# KiCad board panel_32x32_1515_r0.1.kicad_pcb (continued)
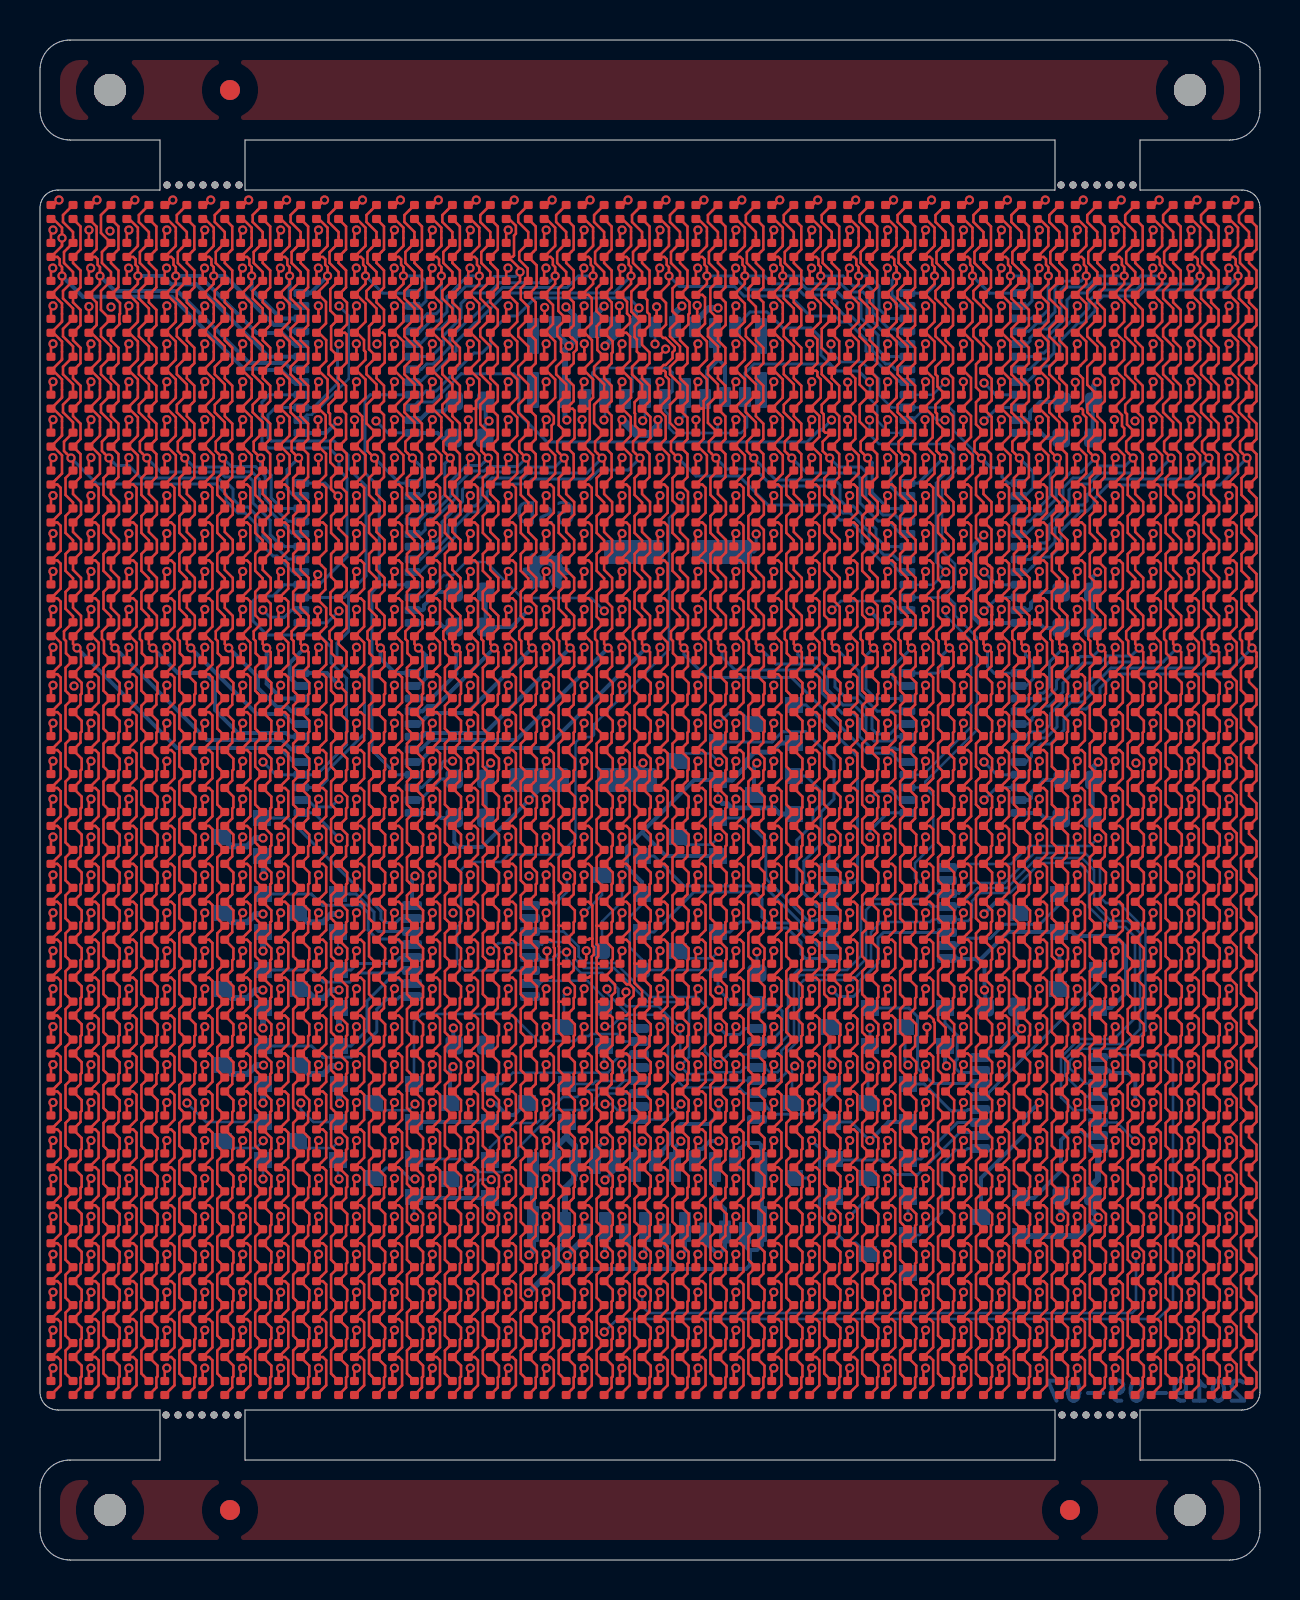
[diagram p0: board, top side]
## Routing (per net, layer and track width the routed paths; a pad name or vN(x,y) marks a point on that pad's centre or on a via; arc(x,y) is an arc through that point) (continued)
COL_RA18: length 79.2
  Top w0.127: D19.2 35.29,67.25 35.29,66.9 35.79,66.4 35.79,66.16 35.79,66.15 D51.2 35.34,65.4 35.34,64.85 35.79,64.4 D83.2 35.42,63.58 35.42,63.04 35.79,62.66 D115.2 35.29,61.56 35.29,61.18 35.79,60.68 D147.2 35.29,59.66 35.29,59.28 35.79,58.78 D179.2 35.29,57.76 35.29,57.39 35.79,56.89 D211.2 35.34,55.92 35.34,55.45 v1(35.69,55.1) 35.79,55 D243.2 35.42,54.1 35.42,53.25 35.79,52.88 D275.2 35.42,52.2 35.42,51.07 35.79,50.69 D307.2 35.42,50.3 35.42,49.46 35.79,49.08 D339.2 35.42,48.41 35.42,47.56 35.79,47.19 D371.2 35.34,46.43 35.34,46.05 35.44,45.95 35.44,45.34 D403.2 35.42,44.61 35.42,43.46 D435.2 35.42,42.72 35.42,41.57 D467.2 35.42,40.82 35.42,39.67 D499.2 35.42,38.92 35.42,37.77 D531.2 35.42,37.03 35.42,35.88 D563.2 35.42,35.13 35.42,33.98 D595.2 35.42,33.23 35.42,32.08 D627.2 35.42,31.34 35.42,30.19 D659.2 35.42,29.44 35.42,28.29 D691.2 35.42,27.54 35.42,26.39 D723.2 35.42,25.65 35.42,24.5 D755.2 35.42,23.75 35.42,22.6 D787.2 35.42,21.85 35.42,20.7 D819.2 35.42,19.96 35.42,18.81 D851.2 35.42,18.06 35.42,16.91 D883.2 35.42,16.16 35.42,15.01 D915.2 35.42,14.27 35.42,13.12 D947.2 35.42,12.37 35.42,11.22 D979.2 35.42,10.47 35.42,9.32 D1011.2
  Bottom w0.15: U8.7 42.28,50.67 41.8,51.15 41.8,51.55 40.65,52.7 40.3,52.7 40,53 40,53.75 39.75,54 36.79,54 v1(35.69,55.1)
COL_RA19: length 77.2
  Top w0.127: D20.2 37.19,67.25 37.19,66.9 37.69,66.4 37.69,66.16 37.69,66.15 D52.2 37.24,65.4 37.24,64.85 37.69,64.4 D84.2 37.19,63.45 37.19,63.08 37.69,62.58 D116.2 37.19,61.56 37.19,61.18 37.69,60.68 D148.2 37.19,59.66 37.19,59.28 37.69,58.78 D180.2 37.19,57.76 37.19,57.39 37.69,56.89 D212.2 37.24,55.92 37.24,55.45 v1(37.59,55.1) 37.69,55 D244.2 37.32,54.1 37.32,53.25 37.69,52.88 D276.2 37.32,52.2 37.32,51.35 37.69,50.98 D308.2 37.32,50.3 37.32,49.46 37.69,49.08 D340.2 37.32,48.41 37.32,47.56 37.69,47.19 D372.2 37.24,46.43 37.24,46.05 37.34,45.95 37.34,45.34 D404.2 37.32,44.61 37.32,43.46 D436.2 37.32,42.72 37.32,41.57 D468.2 37.32,40.82 37.32,39.67 D500.2 37.32,38.92 37.32,37.77 D532.2 37.32,37.03 37.32,35.88 D564.2 37.32,35.13 37.32,33.98 D596.2 37.32,33.23 37.32,32.08 D628.2 37.32,31.34 37.32,30.19 D660.2 37.32,29.44 37.32,28.29 D692.2 37.32,27.54 37.32,26.39 D724.2 37.32,25.65 37.32,24.5 D756.2 37.32,23.75 37.32,22.6 D788.2 37.32,21.85 37.32,20.7 D820.2 37.32,19.96 37.32,18.81 D852.2 37.32,18.06 37.32,16.91 D884.2 37.32,16.16 37.32,15.01 D916.2 37.32,14.27 37.32,13.12 D948.2 37.32,12.37 37.32,11.22 D980.2 37.32,10.47 37.32,9.32 D1012.2
  Bottom w0.15: U8.8 43.05,51.3 42.4,51.95 41.9,51.95 41,52.85 41,54.1 40.75,54.35 38.34,54.35 v1(37.59,55.1)
COL_RA20: length 75.3
  Top w0.127: D1013.2 39.21,9.32 39.21,10.47 D981.2 39.21,11.22 39.21,12.37 D949.2 39.21,13.12 39.21,14.27 D917.2 39.21,15.01 39.21,16.16 D885.2 39.21,16.91 39.21,18.06 D853.2 39.21,18.81 39.21,19.96 D821.2 39.21,20.7 39.21,21.85 D789.2 39.21,22.6 39.21,23.75 D757.2 39.21,24.5 39.21,25.65 D725.2 39.21,26.39 39.21,27.54 D693.2 39.21,28.29 39.21,29.44 D661.2 39.21,30.19 39.21,31.34 D629.2 39.21,32.08 39.21,33.23 D597.2 39.21,33.98 39.21,35.13 D565.2 39.21,35.88 39.21,37.03 D533.2 39.21,37.77 39.21,38.92 D501.2 39.21,39.67 39.21,40.82 D469.2 39.21,41.57 39.21,42.72 D437.2 39.21,43.46 39.21,44.61 D405.2 39.24,45.34 39.24,45.95 39.14,46.05 39.14,46.43 D373.2 39.57,46.88 39.21,47.24 39.21,48.41 D341.2 39.59,49.08 39.21,49.46 39.21,50.3 D309.2 39.59,50.98 39.21,51.35 39.21,52.2 D277.2 39.59,52.88 39.21,53.25 39.21,54.1 D245.2 39.59,55 v1(39.49,55.1) 39.14,55.45 39.14,55.92 D213.2 39.27,56.37 39.18,56.45 39.18,57.29 39.09,57.39 39.09,57.76 D181.2 39.59,58.78 39.09,59.28 39.09,59.66 D149.2 39.54,60.16 39.09,60.61 39.09,61.56 D117.2 39.59,62.58 39.09,63.08 39.09,63.45 D85.2 39.59,64.4 39.14,64.85 39.14,65.4 D53.2 39.59,66.15 39.59,66.16 39.59,66.4 39.09,66.9 39.09,67.25 D21.2
  Bottom w0.15: v1(39.49,55.1) 39.94,54.65 41.05,54.65 41.3,54.4 41.3,53.1 42.15,52.25 42.75,52.25 43.06,51.94 U8.9
COL_RA21: length 73
  Top w0.127: D1014.2 41.11,9.32 41.11,10.47 D982.2 41.11,11.22 41.11,12.37 D950.2 41.11,13.12 41.11,14.27 D918.2 41.11,15.01 41.11,16.16 D886.2 41.11,16.91 41.11,18.06 D854.2 41.11,18.81 41.11,19.96 D822.2 41.11,20.7 41.11,21.85 D790.2 41.11,22.6 41.11,23.75 D758.2 41.11,24.5 41.11,25.65 D726.2 41.11,26.39 41.11,27.54 D694.2 41.11,28.29 41.11,29.44 D662.2 41.11,30.19 41.11,31.34 D630.2 41.11,32.08 41.11,33.23 D598.2 41.11,33.98 41.11,35.13 D566.2 41.11,35.88 41.11,37.03 D534.2 41.11,37.77 41.11,38.92 D502.2 41.11,39.67 41.11,40.82 D470.2 41.11,41.57 41.11,42.72 D438.2 41.11,43.46 41.11,44.61 D406.2 41.13,45.34 41.13,45.95 41.03,46.05 41.03,46.43 D374.2 41.11,47.26 41.11,48.41 D342.2 41.48,49.08 41.11,49.46 41.11,50.3 D310.2 41.48,50.98 41.11,51.35 41.11,52.2 D278.2 41.48,52.88 41.11,53.25 41.11,54.1 D246.2 41.48,55 v1(41.38,55.1) 41.03,55.45 41.03,55.92 D214.2 41.48,56.42 40.98,56.92 40.98,57.76 D182.2 41.48,58.27 40.98,58.77 40.98,59.66 D150.2 41.48,60.68 40.98,61.18 40.98,61.56 D118.2 41.48,62.58 40.98,63.08 40.98,63.45 D86.2 41.48,64.4 41.03,64.85 41.03,65.4 D54.2 41.48,66.15 41.48,66.16 41.48,66.4 40.98,66.9 40.98,67.25 D22.2
  Bottom w0.15: U8.10 42.41,52.57 41.61,53.37 41.61,54.87 v1(41.38,55.1)
COL_RA22: length 71.9
  Top w0.127: D23.2 42.88,67.25 42.88,66.9 43.38,66.4 43.38,66.16 43.38,66.15 D55.2 42.93,65.4 42.93,64.85 43.38,64.4 D87.2 42.88,63.45 42.88,63.08 43.38,62.58 D119.2 42.88,61.56 42.88,61.18 43.38,60.68 D151.2 42.88,59.66 42.88,59.28 43.38,58.78 D183.2 42.88,57.76 42.88,57.39 43.38,56.89 D215.2 42.93,55.92 42.93,55.45 v1(43.28,55.1) 43.38,55 D247.2 43.01,54.1 43.01,53.25 43.38,52.88 D279.2 43.01,52.2 43.01,51.35 43.38,50.98 D311.2 43.01,50.3 43.01,49.46 43.38,49.08 D343.2 43.01,48.41 43.01,47.56 43.38,47.19 D375.2 42.93,46.43 42.93,46.05 43.03,45.95 43.03,45.34 D407.2 43.01,44.61 43.01,43.46 D439.2 43.01,42.72 43.01,41.57 D471.2 43.01,40.82 43.01,39.67 D503.2 43.01,38.92 43.01,37.77 D535.2 43.01,37.03 43.01,35.88 D567.2 43.01,35.13 43.01,33.98 D599.2 43.01,33.23 43.01,32.08 D631.2 43.01,31.34 43.01,30.19 D663.2 43.01,29.44 43.01,28.29 D695.2 43.01,27.54 43.01,26.39 D727.2 43.01,25.65 43.01,24.5 D759.2 43.01,23.75 43.01,22.6 D791.2 43.01,21.85 43.01,20.7 D823.2 43.01,19.96 43.01,18.81 D855.2 43.01,18.06 43.01,16.91 D887.2 43.01,16.16 43.01,15.01 D919.2 43.01,14.27 43.01,13.12 D951.2 43.01,12.37 43.01,11.22 D983.2 43.01,10.47 43.01,9.32 D1015.2
  Bottom w0.15: U8.11 42.99,53.21 42.55,53.65 42.55,54.37 v1(43.28,55.1)
COL_RA23: length 71.5
  Top w0.127: D24.2 44.78,67.25 44.78,66.9 45.28,66.4 45.28,66.16 45.28,66.15 D56.2 44.83,65.4 44.83,64.85 45.28,64.4 D88.2 44.78,63.45 44.78,63.08 45.28,62.58 D120.2 44.78,61.56 44.78,61.18 45.28,60.68 D152.2 44.78,59.66 44.78,59.28 44.87,59.19 44.87,58.67 D184.2 44.78,57.76 44.78,57.39 44.85,57.31 44.85,56.85 45.28,56.42 D216.2 44.83,55.92 44.83,55.45 v1(45.18,55.1) 45.28,55 D248.2 44.9,54.1 44.9,53.25 45.28,52.88 D280.2 44.9,52.2 44.9,51.35 45.28,50.98 D312.2 44.9,50.3 44.9,49.05 45.17,48.78 D344.2 44.9,48.41 44.9,47.2 45.22,46.88 D376.2 44.83,46.43 44.83,46.05 44.93,45.95 44.93,45.34 D408.2 44.9,44.61 44.9,43.46 D440.2 44.9,42.72 44.9,41.57 D472.2 44.9,40.82 44.9,39.67 D504.2 44.9,38.92 44.9,37.77 D536.2 44.9,37.03 44.9,35.88 D568.2 44.9,35.13 44.9,33.98 D600.2 44.9,33.23 44.9,32.08 D632.2 44.9,31.34 44.9,30.19 D664.2 44.9,29.44 44.9,28.29 D696.2 44.9,27.54 44.9,27 45.28,26.63 D728.2 44.9,25.65 44.9,24.5 D760.2 44.9,23.75 44.9,22.6 D792.2 44.9,21.85 44.9,20.7 D824.2 44.9,19.96 44.9,18.81 D856.2 44.9,18.06 44.9,16.91 D888.2 44.9,16.16 44.9,15.01 D920.2 44.9,14.27 44.9,13.12 D952.2 44.9,12.37 44.9,11.22 D984.2 44.9,10.47 44.9,9.32 D1016.2
  Bottom w0.15: v1(45.18,55.1) 43.92,53.84 U8.12
COL_RA24: length 71.5
  Top w0.127: D25.2 46.67,67.25 46.67,66.9 47.17,66.4 47.17,66.16 47.17,66.15 D57.2 46.72,65.4 46.72,64.85 47.17,64.4 D89.2 46.67,63.45 46.67,63.08 47.17,62.58 D121.2 46.67,61.56 46.67,61.18 47.17,60.68 D153.2 46.8,59.79 46.8,58.64 D185.2 46.8,57.89 46.8,56.78 47.17,56.41 D217.2 46.72,55.92 46.72,55.45 v1(47.07,55.1) 47.17,55 D249.2 46.8,54.1 46.8,53.25 47.17,52.88 D281.2 46.8,52.2 46.8,51.1 47.17,50.73 D313.2 ; D377.2 46.72,46.43 46.72,46.05 46.82,45.95 46.82,45.34 D409.2 46.8,44.61 46.8,43.46 D441.2 46.8,42.72 46.8,41.57 D473.2 46.8,40.82 46.8,39.67 D505.2 46.8,38.92 46.8,37.77 D537.2 46.8,37.03 46.8,35.88 D569.2 46.8,35.13 46.8,33.98 D601.2 46.8,33.23 46.8,32.08 D633.2 46.8,31.34 46.8,30.19 D665.2 46.8,29.44 46.8,28.29 D697.2 46.8,27.54 46.8,26.39 D729.2 46.8,25.65 46.8,24.5 D761.2 46.8,23.75 46.8,22.6 D793.2 46.8,21.85 46.8,20.7 D825.2 46.8,19.96 46.8,18.81 D857.2 46.8,18.06 46.8,16.91 D889.2 46.8,16.16 46.8,15.01 D921.2 46.8,14.27 46.8,13.12 D953.2 46.8,12.37 46.8,11.22 D985.2 46.8,10.47 46.8,9.32 D1017.2
  Top w0.15: D377.2 46.79,47.27 46.79,48.4 D345.2 47.17,48.84 46.79,49.23 46.79,50.29 D313.2
  Bottom w0.15: v1(47.07,55.1) 47.56,54.61 47.94,54.61 48.1,54.45 48.1,54.15 48.41,53.84 U8.13
COL_RA25: length 71.8
  Top w0.127: D26.2 48.57,67.25 48.57,66.9 49.07,66.4 49.07,66.16 49.07,66.15 D58.2 48.62,65.4 48.62,64.85 49.07,64.4 D90.2 48.57,63.45 48.57,63.08 49.07,62.58 D122.2 48.57,61.56 48.57,61.18 49.07,60.68 D154.2 48.57,59.66 48.57,59.28 49.07,58.78 D186.2 48.57,57.76 48.57,57.39 49.07,56.89 D218.2 48.62,55.92 48.62,55.45 v1(48.97,55.1) 49.07,55 D250.2 48.7,54.1 48.7,53.25 49.07,52.88 D282.2 48.7,52.2 48.7,51.35 49.07,50.98 D314.2 48.7,50.3 48.7,49.46 49.07,49.08 D346.2 48.7,48.41 48.7,47.56 49.07,47.19 D378.2 48.62,46.43 48.62,46.05 48.72,45.95 48.72,45.34 D410.2 48.7,44.61 48.7,43.46 D442.2 48.7,42.72 48.7,41.57 D474.2 48.7,40.82 48.7,39.67 D506.2 48.7,38.92 48.7,37.77 D538.2 48.7,37.03 48.7,35.88 D570.2 48.7,35.13 48.7,33.98 D602.2 48.7,33.23 48.7,32.08 D634.2 48.7,31.34 48.7,30.19 D666.2 48.7,29.44 48.7,28.29 D698.2 48.7,27.54 48.7,26.39 D730.2 48.7,25.65 48.7,24.5 D762.2 48.7,23.75 48.7,22.6 D794.2 48.7,21.85 48.7,20.7 D826.2 48.7,19.96 48.7,18.81 D858.2 48.7,18.06 48.7,16.91 D890.2 48.7,16.16 48.7,15.01 D922.2 48.7,14.27 48.7,13.12 D954.2 48.7,12.37 48.7,11.22 D986.2 48.7,10.47 48.7,9.32 D1018.2
  Bottom w0.15: U8.14 49.26,53.21 49.65,53.6 49.65,54.42 v1(48.97,55.1)
COL_RA26: length 73
  Top w0.127: D27.2 50.47,67.25 50.47,66.9 50.97,66.4 50.97,66.16 50.97,66.15 D59.2 50.52,65.4 50.52,64.85 50.97,64.4 D91.2 50.47,63.45 50.47,63.08 50.97,62.58 D123.2 50.47,61.56 50.47,61.18 50.97,60.68 D155.2 50.47,59.66 50.47,59.28 50.97,58.78 D187.2 50.47,57.76 50.47,57.39 50.97,56.89 D219.2 50.52,55.92 50.52,55.45 v1(50.87,55.1) 50.97,55 D251.2 50.59,54.1 50.59,53.25 50.97,52.88 D283.2 50.59,52.2 50.59,51.35 50.97,50.98 D315.2 50.59,50.3 50.59,49.46 50.97,49.08 D347.2 50.59,48.41 50.59,47.56 50.97,47.19 D379.2 50.52,46.43 50.52,46.05 50.62,45.95 50.62,45.34 D411.2 50.59,44.61 50.59,43.46 D443.2 50.59,42.72 50.59,41.57 D475.2 50.59,40.82 50.59,39.67 D507.2 50.59,38.92 50.59,37.77 D539.2 50.59,37.03 50.59,35.88 D571.2 50.59,35.13 50.59,33.98 D603.2 50.59,33.23 50.59,32.08 D635.2 50.59,31.34 50.59,30.19 D667.2 50.59,29.44 50.59,28.29 D699.2 50.59,27.54 50.59,26.39 D731.2 50.59,25.65 50.59,24.5 D763.2 50.59,23.75 50.59,22.6 D795.2 50.59,21.85 50.59,20.7 D827.2 50.59,19.96 50.59,18.81 D859.2 50.59,18.06 50.59,16.91 D891.2 50.59,16.16 50.59,15.01 D923.2 50.59,14.27 50.59,13.12 D955.2 50.59,12.37 50.59,11.22 D987.2 50.59,10.47 50.59,9.32 D1019.2
  Bottom w0.15: v1(50.87,55.1) 50.87,54.67 50.51,54.31 50.51,53.19 49.9,52.57 U8.15
COL_RA27: length 74.6
  Top w0.127: D1020.2 52.49,9.32 52.49,10.47 D988.2 52.49,11.22 52.49,12.37 D956.2 52.49,13.12 52.49,14.27 D924.2 52.49,15.01 52.49,16.16 D892.2 52.49,16.91 52.49,18.06 D860.2 52.49,18.81 52.49,19.96 D828.2 52.49,20.7 52.49,21.85 D796.2 52.49,22.6 52.49,23.75 D764.2 52.49,24.5 52.49,25.65 D732.2 52.49,26.39 52.49,27.54 D700.2 52.49,28.29 52.49,29.44 D668.2 52.49,30.19 52.49,31.34 D636.2 52.49,32.08 52.49,33.23 D604.2 52.49,33.98 52.49,35.13 D572.2 52.49,35.88 52.49,37.03 D540.2 52.49,37.77 52.49,38.92 D508.2 52.49,39.67 52.49,40.82 D476.2 52.49,41.57 52.49,42.72 D444.2 52.49,43.46 52.49,44.61 D412.2 52.51,45.34 52.51,45.95 52.41,46.05 52.41,46.43 D380.2 52.86,47.19 52.49,47.56 52.49,48.41 D348.2 52.86,48.79 52.49,49.16 52.49,50.3 D316.2 52.86,50.98 52.49,51.35 52.49,52.2 D284.2 52.86,52.88 52.49,53.25 52.49,54.1 D252.2 52.86,55 v1(52.76,55.1) 52.41,55.45 52.41,55.92 D220.2 52.86,56.89 52.36,57.39 52.36,57.76 D188.2 52.86,58.26 52.36,58.76 52.36,59.66 D156.2 52.86,60.68 52.36,61.18 52.36,61.56 D124.2 52.86,62.58 52.36,63.08 52.36,63.45 D92.2 52.86,64.4 52.41,64.85 52.41,65.4 D60.2 52.86,66.15 52.86,66.16 52.86,66.4 52.36,66.9 52.36,67.25 D28.2
  Bottom w0.15: U8.16 49.49,51.94 49.85,52.3 50.05,52.3 50.81,53.06 50.81,53.66 51.55,54.4 52.06,54.4 v1(52.76,55.1)
COL_RA28: length 76.8
  Top w0.127: D1021.2 54.39,9.32 54.39,10.47 D989.2 54.39,11.22 54.39,12.37 D957.2 54.39,13.12 54.39,14.27 D925.2 54.39,15.01 54.39,16.16 D893.2 54.39,16.91 54.39,18.06 D861.2 54.39,18.81 54.39,19.96 D829.2 54.39,20.7 54.39,21.85 D797.2 54.39,22.6 54.39,23.75 D765.2 54.39,24.5 54.39,25.65 D733.2 54.39,26.39 54.39,27.54 D701.2 54.39,28.29 54.39,29.44 D669.2 54.39,30.19 54.39,31.34 D637.2 54.39,32.08 54.39,33.23 D605.2 54.39,33.98 54.39,35.13 D573.2 54.39,35.88 54.39,37.03 D541.2 54.39,37.77 54.39,38.92 D509.2 54.39,39.67 54.39,40.82 D477.2 54.39,41.57 54.39,42.72 D445.2 54.39,43.46 54.39,44.61 D413.2 54.41,45.34 54.41,45.95 54.31,46.05 54.31,46.43 D381.2 54.76,47.19 54.39,47.56 54.39,48.41 D349.2 54.76,49.08 54.39,49.46 54.39,50.3 D317.2 54.76,50.98 54.39,51.35 54.39,52.2 D285.2 54.76,52.88 54.39,53.25 54.39,54.1 D253.2 54.76,55 v1(54.66,55.1) 54.31,55.45 54.31,55.92 D221.2 54.35,56.78 54.35,57.3 54.26,57.39 54.26,57.76 D189.2 54.76,58.78 54.26,59.28 54.26,59.66 D157.2 54.76,60.68 54.26,61.18 54.26,61.56 D125.2 54.76,62.58 54.26,63.08 54.26,63.45 D93.2 54.76,64.4 54.31,64.85 54.31,65.4 D61.2 54.76,66.15 54.76,66.16 54.76,66.4 54.26,66.9 54.26,67.25 D29.2
  Bottom w0.15: v1(54.66,55.1) 54.26,54.7 52.9,54.7 52.3,54.1 51.65,54.1 51.15,53.6 51.15,52.95 50.26,52.06 50.06,52.06 49.3,51.3 48.93,51.3 U8.17
COL_RA29: length 79.4
  Top w0.127: D30.2 56.16,67.25 56.16,66.9 56.66,66.4 56.66,66.16 56.66,66.15 D62.2 56.21,65.4 56.21,64.85 56.66,64.4 D94.2 56.16,63.45 56.16,63.08 56.66,62.58 D126.2 56.16,61.56 56.16,61.18 56.66,60.68 D158.2 56.16,59.66 56.16,59.28 56.66,58.78 D190.2 56.16,57.76 56.16,57.39 56.66,56.89 D222.2 56.21,55.92 56.21,55.45 v1(56.56,55.1) 56.66,55 D254.2 56.28,54.1 56.28,53.25 56.66,52.88 D286.2 56.28,52.2 56.28,51.35 56.66,50.98 D318.2 56.28,50.3 56.28,49.46 56.66,49.08 D350.2 56.28,48.41 56.28,47.56 56.66,47.19 D382.2 56.21,46.43 56.21,46.05 56.31,45.95 56.31,45.34 D414.2 56.28,44.61 56.28,43.46 D446.2 56.28,42.72 56.28,41.57 D478.2 56.28,40.82 56.28,39.67 D510.2 56.28,38.92 56.28,37.77 D542.2 56.28,37.03 56.28,35.88 D574.2 56.28,35.13 56.28,33.98 D606.2 56.28,33.23 56.28,32.08 D638.2 56.28,31.34 56.28,30.19 D670.2 56.28,29.44 56.28,28.29 D702.2 56.28,27.54 56.28,26.39 D734.2 56.28,25.65 56.28,24.5 D766.2 56.28,23.75 56.28,22.6 D798.2 56.28,21.85 56.28,20.7 D830.2 56.28,19.96 56.28,18.81 D862.2 56.28,18.06 56.28,16.91 D894.2 56.28,16.16 56.28,15.01 D926.2 56.28,14.27 56.28,13.12 D958.2 56.28,12.37 56.28,11.22 D990.2 56.28,10.47 56.28,9.32 D1022.2
  Bottom w0.15: v1(56.56,55.1) 55.81,54.35 53,54.35 52.45,53.8 51.75,53.8 51.45,53.5 51.45,52.75 50.45,51.75 50.45,51.05 50.25,50.85 49.9,50.85 49.72,50.67 U8.18
COL_RA30: length 81.3
  Top w0.127: D31.2 58.05,67.25 58.05,66.9 58.55,66.4 58.55,66.16 58.55,66.15 D63.2 58.1,65.4 58.1,64.85 58.55,64.4 D95.2 58.05,63.45 58.05,63.08 58.55,62.58 D127.2 58.05,61.56 58.05,61.18 58.55,60.68 D159.2 58.05,59.66 58.05,59.28 58.55,58.78 D191.2 58.05,57.76 58.05,57.39 58.55,56.89 D223.2 58.1,55.92 58.1,55.45 v1(58.45,55.1) 58.55,55 D255.2 58.18,54.1 58.18,53.25 58.55,52.88 D287.2 58.18,52.2 58.18,51.35 58.55,50.98 D319.2 58.18,50.3 58.18,49.46 58.55,49.08 D351.2 58.18,48.41 58.18,47.56 58.55,47.19 D383.2 58.1,46.43 58.1,46.05 58.2,45.95 58.2,45.34 D415.2 58.18,44.61 58.18,43.46 D447.2 58.18,42.72 58.18,41.57 D479.2 58.18,40.82 58.18,39.67 D511.2 58.18,38.92 58.18,37.77 D543.2 58.18,37.03 58.18,35.88 D575.2 58.18,35.13 58.18,33.98 D607.2 58.18,33.23 58.18,32.08 D639.2 58.18,31.34 58.18,30.19 D671.2 58.18,29.44 58.18,28.29 D703.2 58.18,27.54 58.18,26.39 D735.2 58.18,25.65 58.18,24.5 D767.2 58.18,23.75 58.18,22.6 D799.2 58.18,21.85 58.18,20.7 D831.2 58.18,19.96 58.18,18.81 D863.2 58.18,18.06 58.18,16.91 D895.2 58.18,16.16 58.18,15.01 D927.2 58.18,14.27 58.18,13.12 D959.2 58.18,12.37 58.18,11.22 D991.2 58.18,10.47 58.18,9.32 D1023.2
  Bottom w0.15: U8.19 49.53,50.03 50.05,50.55 50.4,50.55 50.75,50.9 50.75,51.6 51.9,52.75 52.15,52.75 52.35,52.95 52.35,53.25 53.15,54.05 57.4,54.05 v1(58.45,55.1)
COL_RA31: length 83.9
  Top w0.127: D32.2 59.95,67.25 59.95,66.9 60.45,66.4 60.45,66.16 60.45,66.15 D64.2 60,65.4 60,64.85 60.45,64.4 D96.2 59.95,63.45 59.95,63.08 60.45,62.58 D128.2 59.95,61.56 59.95,61.18 60.45,60.68 D160.2 59.95,59.66 59.95,59.28 60.45,58.78 D192.2 59.95,57.76 59.95,57.39 60.45,56.89 D224.2 60,55.92 60,55.45 v1(60.35,55.1) 60.45,55 D256.2 60.08,54.1 60.08,53.25 60.45,52.88 D288.2 60.08,52.2 60.08,51.35 60.45,50.98 D320.2 60.08,50.3 60.08,49.46 60.45,49.08 D352.2 60.08,48.41 60.08,47.56 60.45,47.19 D384.2 60,46.43 60,46.05 60.1,45.95 60.1,45.34 D416.2 60.05,44.58 60.05,43.49 D448.2 60.05,42.69 60.05,41.6 D480.2 60.05,40.79 60.05,39.7 D512.2 60.05,38.89 60.05,37.8 D544.2 60.05,37 60.05,35.91 D576.2 60.05,35.1 60.05,34.01 D608.2 60.05,33.2 60.05,32.11 D640.2 60.05,31.31 60.05,30.22 D672.2 60.05,29.41 60.05,28.32 D704.2 60.05,27.51 60.05,26.42 D736.2 60.05,25.62 60.05,24.53 D768.2 60.05,23.72 60.05,22.63 D800.2 60.05,21.82 60.05,20.73 D832.2 60.05,19.93 60.05,18.84 D864.2 60.05,18.03 60.05,16.94 D896.2 60.05,16.13 60.05,15.04 D928.2 60.05,14.24 60.05,13.15 D960.2 60.05,12.34 60.05,11.25 D992.2 60.05,10.44 60.05,9.35 D1024.2
  Bottom w0.15: U8.20 49.35,49.4 49.62,49.67 49.62,49.67 50.1,50.15 50.5,50.15 51.05,50.7 51.05,51.45 52.05,52.45 52.35,52.45 52.7,52.8 52.7,53.05 53.4,53.75 59,53.75 v1(60.35,55.1)
P_LED: length 211.5
  In1.Cu w0.4: v1(20.65,32.35) 21.55,33.25 23.5,33.25 v1(24.45,34.2)
  In2.Cu w0.15: v1(16.8,56.95) 17.2,56.55 25.89,56.55 v1(26.34,57)
  In2.Cu w0.2: v1(47.19,51.25) 47.79,51.85 50.4,51.85 50.95,51.3 50.95,47.25 52.5,45.7 52.49,45.69 52.49,43.19 52.89,42.8 54.3,42.8 54.8,42.3 v1(54.8,39.85)
  In2.Cu w0.25: v1(14.95,19.05) 14.95,18.45 15.35,18.05 19.31,18.05 ; 23.41,18.05 v1(22.54,17.17) ; 23.41,18.05 25.95,18.05 26.3,18.4 26.3,23.45 26.7,23.85 27.75,23.85 28.21,24.31 v1(28.21,24.75) ; 23.41,18.05 19.31,18.05 ; v1(18.73,17.15) 18.73,17.48 19.31,18.05
  In2.Cu w0.3: v1(3.55,62.65) 3.55,62.98 3.8,63.23 3.8,65.15 3.5,65.45 v1(3.5,66.45)
  Bottom w0.089: v1(14.94,30.45) 14.9,30.49 Q7.2
  Bottom w0.127: Q18.2 Q19.2 30.1,30.03 29.48,30.64 29.48,32.16 30.1,32.77 Q20.2 ; Q11.2 14.9,19.1 v1(14.95,19.05) ; Q23.2 33.9,38.05 v1(33.9,38.05) ; Q10.2 v1(11.15,19.05)
  Bottom w0.15: v1(41.49,20.97) 40.56,21.9 Q9.2 ; v1(22.54,17.17) 22.5,17.21 Q13.2 ; Q1.2 28.2,24.76 v1(28.21,24.75) ; v1(18.73,17.15) 18.7,17.18 18.7,18.1 ; U2.10 36.53,25.92 37.1,26.5 37.1,27.45 36.79,27.76 C4.1 34.68,27.76 v1(33.95,28.5) 33.9,28.55 Q18.2 ; v1(39.6,17.15) 39.55,17.2 39.55,18.1 ; 43.4,18.05 v1(43.4,17.15) ; Q31.2 v1(41.5,26.6) ; v1(16.8,56.95) 17.39,56.36 U9.24
  Bottom w0.2: v1(41.49,20.97) 42.42,21.9 Q29.2 ; C7.1 20.12,56.1 19.87,56.36 U9.24 ; 33.93,60.03 33.35,59.45 33.35,58.15 J1.5 ; 33.93,60.03 34.25,59.7 J1.3 ; 33.93,60.03 33.75,60.2 J1.4 ; C6.1 47.26,28.46 v1(47.22,28.5) 47.22,29.63 46.81,30.04 ; Q12.2 18.75,18.1 Q13.2 ; Q21.2 31.29,35.2 30.15,36.34 30.15,36.45 ; U6.24 49.96,37.36 50.22,37.1 C12.1 ; U3.16 45.88,30.08 45.91,30.04 46.81,30.04 ; v1(45.33,24.7) 45.25,24.78 Q32.2 ; Q15.2 Q16.2 ; 46.81,30.04 47.03,30.04 48.39,31.4 Q17.2 51.6,31.4 51.8,31.2 53.75,31.2 54.3,30.65 54.3,28.35 53.55,27.6 Q30.2 ; C10.1 50.2,46.6 49.94,46.86 U8.24 46.94,46.86 46.7,47.1 46.7,50.76 v1(47.19,51.25) ; C1.1 24.95,38.5 v1(24.45,38) 22.1,35.65 20.95,35.65 20.71,35.89 C11.1 20.05,37.1 19.79,37.36 U5.24 ; C8.1 50.31,56.1 50.06,56.36 U10.24 ; J2.5 33.25,15.9 v1(33.9,15.25) 34.25,15.6 J2.3 34.25,17.55 33.75,18.05 J2.4 ; 30.15,36.45 32.71,39 Q23.2 ; 30.15,36.45 29.35,35.64 29.35,34.65 30.1,33.9 Q20.2 ; U4.10 53.44,24.47 53.56,24.35 54.45,24.35 54.77,24.03 v1(54.77,22.85) ; U7.24 19.97,46.86 20.18,46.65 C9.1
  Bottom w0.25: v1(33.9,38.05) 34.13,37.82 34.36,37.82 34.58,37.6 36.7,37.6 37,37.3 Q22.2 ; v1(26.34,57) 26.25,57.09 J1.19 ; J1.18 26.75,62.2 v1(26.3,62.65) ; Q23.2 34.6,39 35.24,39.64 35.24,39.9 35.72,40.39 36.54,40.39 37,40.85 Q24.2
  Bottom w0.3: J2.20 25.75,20.6 26.25,21.1 26.35,21.1 ; Q25.2 51.98,16.2 v1(52.91,17.13) 52.64,17.41 C5.1 52.64,18.78 52.9,19.04 U4.16 ; Q3.2 14.95,22.86 v1(14.98,22.83) ; Q2.2 v1(11.15,22.85) ; 26.35,21.1 Q14.2 ; 26.35,21.1 26.75,20.7 J2.18 26.75,19.25 26.7,19.2 26.7,19.05 26.25,18.6 J2.19 26.25,15.85 25.85,15.45 25.85,14.78 v1(24.42,13.35) ; J1.20 25.75,61.4 v1(26.45,60.7) ; J1.18 26.75,61 v1(26.45,60.7) ; v1(14.98,26.6) 14.95,26.63 Q5.2 ; v1(26.45,60.7) 26.25,60.5 J1.19 ; Q6.2 v1(11.15,30.45) ; Q4.2 v1(11.15,26.6) ; v1(11.18,34.2) 11.18,35.12 Q8.2
Net-(Q1-Pad1): length 4.6
  Bottom w0.127: 25.26,28.96 27.37,28.96 28.2,28.13 Q1.1
  Bottom w0.15: 25.26,28.96 25.12,28.96 24.99,28.83 U1.15
Net-(Q2-Pad1): length 9.6
  Bottom w0.15: Q2.1 13.58,25.7 14.15,25.14 15.56,25.14 16.84,26.41 16.84,27.54 17.35,28.05 17.88,28.05 18,28.17 U1.1
Net-(Q3-Pad1): length 6
  Bottom w0.15: Q3.1 15.55,25.7 16.35,26.5 16.35,27.95 17.45,29.05 17.95,29.05 18.18,28.83 U1.2
Net-(Q4-Pad1): length 7.9
  Bottom w0.15: Q4.1 13.57,29.5 14.18,28.89 15.49,28.89 15.95,29.35 17.88,29.35 18,29.47 18.6,29.47
Net-(Q5-Pad1): length 3.9
  Bottom w0.15: Q5.1 15.55,29.5 15.88,29.83 17.7,29.83 18,30.12 U1.4
Net-(Q6-Pad1): length 9
  Bottom w0.15: U1.5 18.12,30.78 17.85,31.05 16.85,31.05 16.41,31.49 16.41,32.36 16.01,32.75 15.64,32.75 15.62,32.74 14.13,32.74 13.57,33.3 Q6.1
Net-(Q7-Pad1): length 4.9
  Bottom w0.15: Q7.1 15.8,33.3 16.7,32.4 16.7,31.65 16.93,31.42 U1.6
Net-(Q8-Pad1): length 10
  Bottom w0.15: Q8.1 12.4,37.1 17.05,32.45 17.05,32.05 17.22,31.88 17.8,31.88 18,32.08 U1.7
Net-(Q9-Pad1): length 4.9
  Bottom w0.15: Q9.1 39.6,23.25 38.64,22.29 36.69,22.29 36.3,22.67 U2.15
Net-(Q10-Pad1): length 32.4
  In1.Cu w0.127: v1(32.05,22.8) 32.05,23.13 31.57,23.6 28,23.6 27.75,23.85 8.35,23.85 v1(7.35,22.85)
  Bottom w0.127: 29.95,22.03 31.27,22.03 v1(32.05,22.8) ; v1(7.35,22.85) 8.3,21.9 Q10.1
Net-(Q11-Pad1): length 20.2
  In1.Cu w0.127: v1(28.25,22.8) 27.5,23.55 13.74,23.55 v1(13.04,22.85)
  Bottom w0.127: Q11.1 13.67,21.9 13.04,22.52 v1(13.04,22.85) ; v1(28.25,22.8) 28.58,22.8 28.88,22.49 29.34,22.49 29.53,22.67 U2.2
Net-(Q12-Pad1): length 13.5
  Bottom w0.127: U2.3 28.03,23.33 27.8,23.1 27.8,22.9 27.35,22.45 27,22.45 26.95,22.5 25.81,22.5 23.9,20.6 23.9,20.2 23.1,19.4 21.76,19.4 21.11,20.05 Q12.1
Net-(Q13-Pad1): length 9.5
  Bottom w0.127: Q13.1 22.5,20.63 23.72,21.85 24.85,21.85 26.15,23.15 26.85,23.15 27.2,23.5 27.8,23.5 27.9,23.6 28.85,23.6 29.22,23.97 U2.4
Net-(Q14-Pad1): length 3.9
  Bottom w0.127: Q14.1 27.65,23.8 27.8,23.95 28.8,23.95 29.47,24.62 U2.5
Net-(Q15-Pad1): length 8.2
  Bottom w0.127: Q15.1 23.08,23.8 23.64,24.37 28.4,24.37 28.6,24.57 28.6,24.83 29.04,25.28 U2.6
Net-(Q16-Pad1): length 15.4
  Bottom w0.127: U2.7 29.22,25.92 28.85,26.3 27.54,26.3 27.44,26.2 27,26.2 26.75,25.95 24.9,25.95 23.55,27.3 19.1,27.3 18.7,26.9 Q16.1
Net-(Q17-Pad1): length 7
  Bottom w0.15: U3.15 45.85,30.72 46.21,31.09 47.51,31.09 48.21,31.79 49.99,31.79 50.95,32.75 Q17.1
Net-(Q18-Pad1): length 6.9
  Bottom w0.15: Q18.1 34.5,31.4 35,31.9 35.85,31.9 36.15,31.6 37.35,31.6 38.05,30.9 38.05,30.3 38.28,30.07 38.77,30.07 38.78,30.08 U3.1
Net-(Q19-Pad1): length 11.8
  Bottom w0.15: U3.2 38.9,30.72 38.63,31 38.4,31 37.55,31.85 36.4,31.85 36.1,32.15 36.1,33.05 35.75,33.4 32.7,33.4 30.7,31.4 Q19.1
Net-(Q20-Pad1): length 10.9
  Bottom w0.15: Q20.1 30.7,35.2 32.2,33.7 36.2,33.7 38.53,31.38 U3.3
Net-(Q21-Pad1): length 8.8
  Bottom w0.15: 39.45,32.03 38.85,32.03 38.79,31.96 38.4,31.96 36.29,34.07 36.29,35.96 35.15,37.1 Q21.1
Net-(Q22-Pad1): length 9
  Bottom w0.15: Q22.1 38.3,39.2 39.1,38.4 39.1,37.84 38.65,37.39 38.65,36.8 37.84,35.99 37.84,33.69 38.85,32.67 U3.5
Net-(Q23-Pad1): length 14.8
  Bottom w0.15: 39.45,33.33 38.85,33.33 38.19,33.98 38.19,34.94 39.05,35.8 39.05,37.4 39.7,38.05 39.7,40 38.28,41.41 37.12,41.41 36.6,40.9 Q23.1
Net-(Q24-Pad1): length 11.9
  Bottom w0.15: Q24.1 38.3,42.75 40.88,40.17 40.88,34.07 40.67,33.86 40.16,33.86 40.05,33.97 U3.7
Net-(Q25-Pad1): length 6.2
  Bottom w0.2: U4.15 52.3,21.22 52.07,21.45 51.5,21.45 51.05,21 51.05,19.45 49.7,18.1 Q25.1
Net-(Q26-Pad1): length 6.8
  Bottom w0.127: U4.1 46.38,20.58 46.3,20.5 45.8,20.5 45.1,19.8 45.1,17.37 43.98,16.25 Q26.1
Net-(Q27-Pad1): length 8.7
  Bottom w0.15: 39.55,20 42.04,20 42.77,19.27 43.88,19.27 45.98,21.37 46.85,21.37 U4.2
